# Altium PCB GEM_AFE_128.PcbDoc (part 1 of 18) (continued)
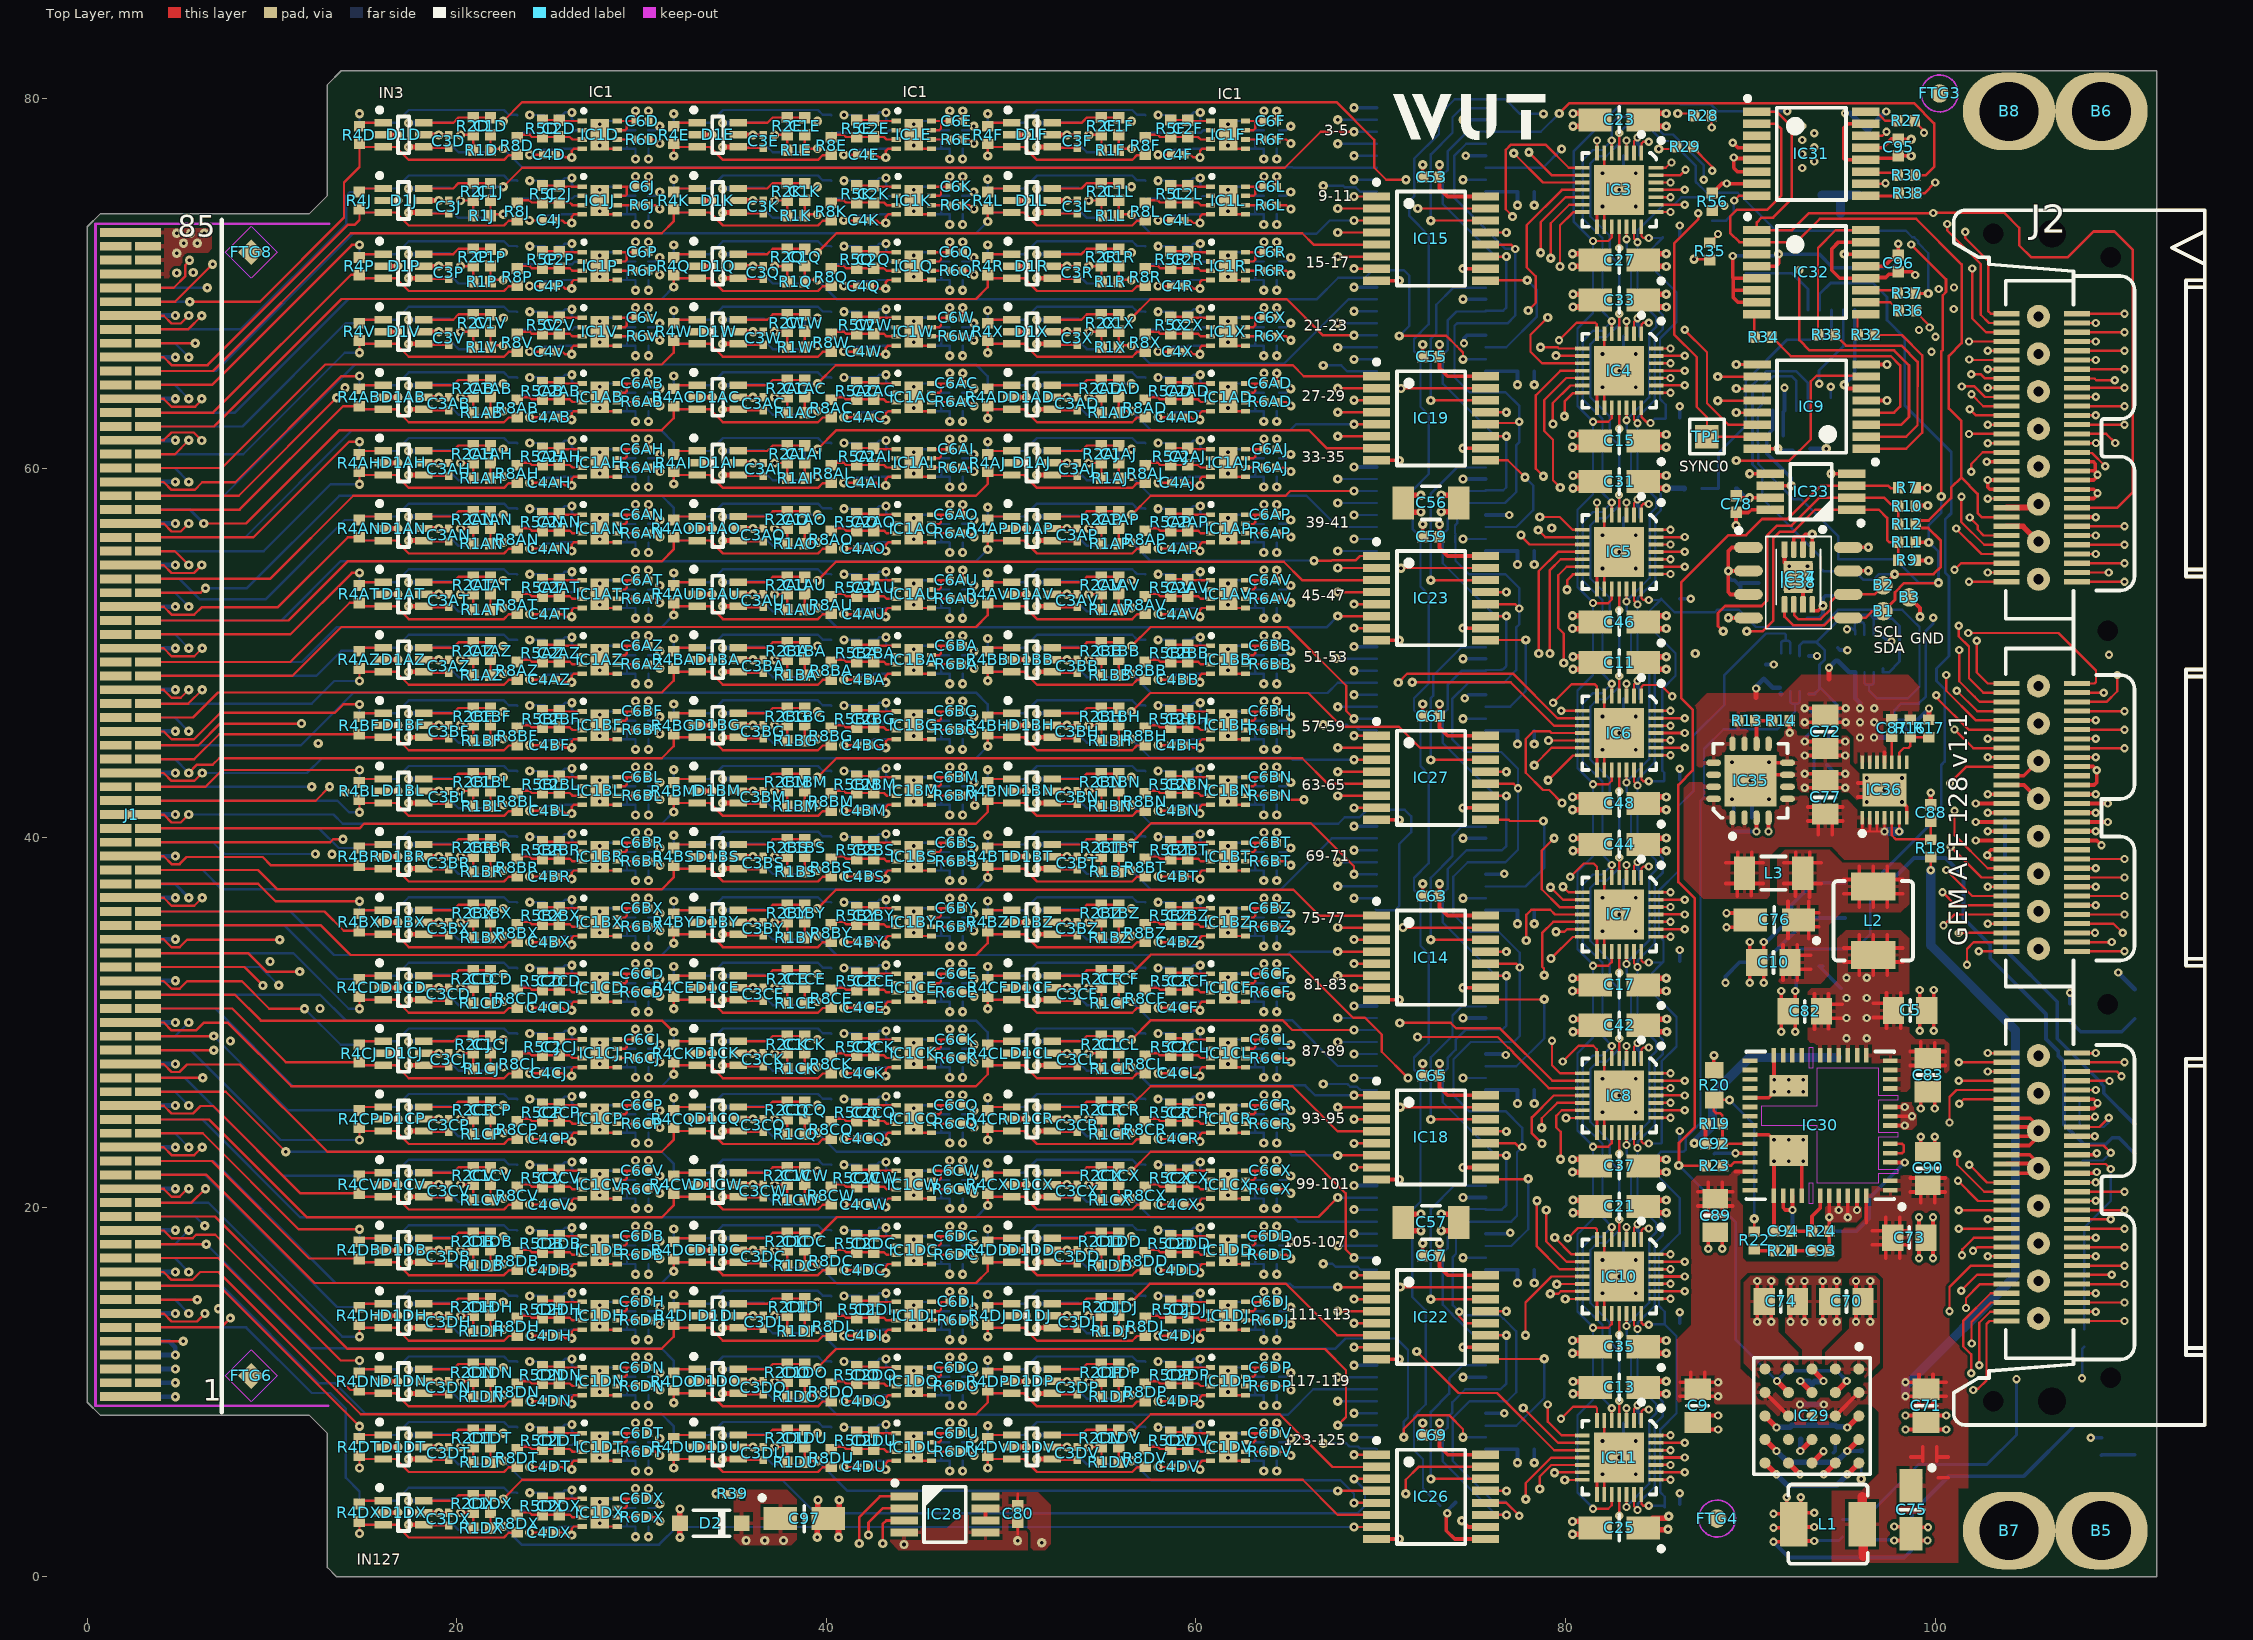
[diagram p0: Top Layer view]
## Design rules (kind name [scope] priority, off if disabled: settings) (continued)
RoomDefinition U_FE_channel40 [InComponentClass('U_FE_channel40')] p89: confinementstyle=ConfineIn formatcopy=TRUE lockcomponents=FALSE outline 14.275,58.4 31.275,58.4 31.275,55.05 14.275,55.05
RoomDefinition U_FE_channel39 [InComponentClass('U_FE_channel39')] p90: confinementstyle=ConfineIn formatcopy=FALSE lockcomponents=FALSE outline 48.275,55.05 65.275,55.05 65.275,58.4 48.275,58.4
RoomDefinition U_FE_channel38 [InComponentClass('U_FE_channel38')] p91: confinementstyle=ConfineIn formatcopy=FALSE lockcomponents=FALSE outline 31.275,55.05 48.275,55.05 48.275,58.4 31.275,58.4
RoomDefinition U_FE_channel37 [InComponentClass('U_FE_channel37')] p92: confinementstyle=ConfineIn formatcopy=FALSE lockcomponents=FALSE outline 14.275,55.05 31.275,55.05 31.275,58.4 14.275,58.4
RoomDefinition U_FE_channel34 [InComponentClass('U_FE_channel34')] p93: confinementstyle=ConfineIn formatcopy=TRUE lockcomponents=FALSE outline 14.275,61.95 31.275,61.95 31.275,58.6 14.275,58.6
RoomDefinition U_FE_channel35 [InComponentClass('U_FE_channel35')] p94: confinementstyle=ConfineIn formatcopy=TRUE lockcomponents=FALSE outline 31.275,61.95 48.275,61.95 48.275,58.6 31.275,58.6
RoomDefinition U_FE_channel36 [InComponentClass('U_FE_channel36')] p95: confinementstyle=ConfineIn formatcopy=TRUE lockcomponents=FALSE outline 48.275,61.95 65.275,61.95 65.275,58.6 48.275,58.6
RoomDefinition U_FE_channel33 [InComponentClass('U_FE_channel33')] p96: confinementstyle=ConfineIn formatcopy=FALSE lockcomponents=FALSE outline 48.275,58.6 65.275,58.6 65.275,61.95 48.275,61.95
RoomDefinition U_FE_channel32 [InComponentClass('U_FE_channel32')] p97: confinementstyle=ConfineIn formatcopy=FALSE lockcomponents=FALSE outline 31.275,58.6 48.275,58.6 48.275,61.95 31.275,61.95
RoomDefinition U_FE_channel31 [InComponentClass('U_FE_channel31')] p98: confinementstyle=ConfineIn formatcopy=FALSE lockcomponents=FALSE outline 14.275,58.6 31.275,58.6 31.275,61.95 14.275,61.95
RoomDefinition U_FE_channel27 [InComponentClass('U_FE_channel27')] p99: confinementstyle=ConfineIn formatcopy=FALSE lockcomponents=FALSE outline 48.275,62.15 65.275,62.15 65.275,65.5 48.275,65.5
RoomDefinition U_FE_channel26 [InComponentClass('U_FE_channel26')] p100: confinementstyle=ConfineIn formatcopy=FALSE lockcomponents=FALSE outline 31.275,62.15 48.275,62.15 48.275,65.5 31.275,65.5
RoomDefinition U_FE_channel25 [InComponentClass('U_FE_channel25')] p101: confinementstyle=ConfineIn formatcopy=FALSE lockcomponents=FALSE outline 14.275,62.15 31.275,62.15 31.275,65.5 14.275,65.5
RoomDefinition U_FE_channel30 [InComponentClass('U_FE_channel30')] p102: confinementstyle=ConfineIn formatcopy=TRUE lockcomponents=FALSE outline 48.275,65.5 65.275,65.5 65.275,62.15 48.275,62.15
RoomDefinition U_FE_channel29 [InComponentClass('U_FE_channel29')] p103: confinementstyle=ConfineIn formatcopy=TRUE lockcomponents=FALSE outline 31.275,65.5 48.275,65.5 48.275,62.15 31.275,62.15
RoomDefinition U_FE_channel28 [InComponentClass('U_FE_channel28')] p104: confinementstyle=ConfineIn formatcopy=TRUE lockcomponents=FALSE outline 14.275,65.5 31.275,65.5 31.275,62.15 14.275,62.15
RoomDefinition U_FE_channel24 [InComponentClass('U_FE_channel24')] p105: confinementstyle=ConfineIn formatcopy=TRUE lockcomponents=FALSE outline 48.275,69.05 65.275,69.05 65.275,65.7 48.275,65.7
RoomDefinition U_FE_channel23 [InComponentClass('U_FE_channel23')] p106: confinementstyle=ConfineIn formatcopy=TRUE lockcomponents=FALSE outline 31.275,69.05 48.275,69.05 48.275,65.7 31.275,65.7
RoomDefinition U_FE_channel22 [InComponentClass('U_FE_channel22')] p107: confinementstyle=ConfineIn formatcopy=TRUE lockcomponents=FALSE outline 14.275,69.05 31.275,69.05 31.275,65.7 14.275,65.7
RoomDefinition U_FE_channel21 [InComponentClass('U_FE_channel21')] p108: confinementstyle=ConfineIn formatcopy=FALSE lockcomponents=FALSE outline 48.275,65.7 65.275,65.7 65.275,69.05 48.275,69.05
RoomDefinition U_FE_channel20 [InComponentClass('U_FE_channel20')] p109: confinementstyle=ConfineIn formatcopy=FALSE lockcomponents=FALSE outline 31.275,65.7 48.275,65.7 48.275,69.05 31.275,69.05
RoomDefinition U_FE_channel19 [InComponentClass('U_FE_channel19')] p110: confinementstyle=ConfineIn formatcopy=FALSE lockcomponents=FALSE outline 14.275,65.7 31.275,65.7 31.275,69.05 14.275,69.05
RoomDefinition U_FE_channel13 [InComponentClass('U_FE_channel13')] p111: confinementstyle=ConfineIn formatcopy=FALSE lockcomponents=FALSE outline 14.275,69.25 31.275,69.25 31.275,72.6 14.275,72.6
RoomDefinition U_FE_channel18 [InComponentClass('U_FE_channel18')] p112: confinementstyle=ConfineIn formatcopy=TRUE lockcomponents=FALSE outline 48.275,72.6 65.275,72.6 65.275,69.25 48.275,69.25
RoomDefinition U_FE_channel17 [InComponentClass('U_FE_channel17')] p113: confinementstyle=ConfineIn formatcopy=TRUE lockcomponents=FALSE outline 31.275,72.6 48.275,72.6 48.275,69.25 31.275,69.25
RoomDefinition U_FE_channel16 [InComponentClass('U_FE_channel16')] p114: confinementstyle=ConfineIn formatcopy=TRUE lockcomponents=FALSE outline 14.275,72.6 31.275,72.6 31.275,69.25 14.275,69.25
RoomDefinition U_FE_channel15 [InComponentClass('U_FE_channel15')] p115: confinementstyle=ConfineIn formatcopy=FALSE lockcomponents=FALSE outline 48.275,69.25 65.275,69.25 65.275,72.6 48.275,72.6
RoomDefinition U_FE_channel14 [InComponentClass('U_FE_channel14')] p116: confinementstyle=ConfineIn formatcopy=FALSE lockcomponents=FALSE outline 31.275,69.25 48.275,69.25 48.275,72.6 31.275,72.6
RoomDefinition U_FE_channel7 [InComponentClass('U_FE_channel7')] p117: confinementstyle=ConfineIn formatcopy=FALSE lockcomponents=FALSE outline 14.275,72.8 31.275,72.8 31.275,76.15 14.275,76.15
RoomDefinition U_FE_channel8 [InComponentClass('U_FE_channel8')] p118: confinementstyle=ConfineIn formatcopy=FALSE lockcomponents=FALSE outline 31.275,72.8 48.275,72.8 48.275,76.15 31.275,76.15
RoomDefinition U_FE_channel9 [InComponentClass('U_FE_channel9')] p119: confinementstyle=ConfineIn formatcopy=FALSE lockcomponents=FALSE outline 48.275,72.8 65.275,72.8 65.275,76.15 48.275,76.15
RoomDefinition U_FE_channel12 [InComponentClass('U_FE_channel12')] p120: confinementstyle=ConfineIn formatcopy=TRUE lockcomponents=FALSE outline 48.275,76.15 65.275,76.15 65.275,72.8 48.275,72.8
RoomDefinition U_FE_channel11 [InComponentClass('U_FE_channel11')] p121: confinementstyle=ConfineIn formatcopy=TRUE lockcomponents=FALSE outline 31.275,76.15 48.275,76.15 48.275,72.8 31.275,72.8
RoomDefinition U_FE_channel10 [InComponentClass('U_FE_channel10')] p122: confinementstyle=ConfineIn formatcopy=TRUE lockcomponents=FALSE outline 14.275,76.15 31.275,76.15 31.275,72.8 14.275,72.8
RoomDefinition U_FE_channel6 [InComponentClass('U_FE_channel6')] p123: confinementstyle=ConfineIn formatcopy=TRUE lockcomponents=FALSE outline 48.275,79.7 65.275,79.7 65.275,76.35 48.275,76.35
RoomDefinition U_FE_channel5 [InComponentClass('U_FE_channel5')] p124: confinementstyle=ConfineIn formatcopy=TRUE lockcomponents=FALSE outline 31.275,79.7 48.275,79.7 48.275,76.35 31.275,76.35
RoomDefinition U_FE_channel3 [InComponentClass('U_FE_channel3')] p125: confinementstyle=ConfineIn formatcopy=FALSE lockcomponents=FALSE outline 48.275,76.35 65.275,76.35 65.275,79.7 48.275,79.7
RoomDefinition U_FE_channel2 [InComponentClass('U_FE_channel2')] p126: confinementstyle=ConfineIn formatcopy=FALSE lockcomponents=FALSE outline 31.275,76.35 48.275,76.35 48.275,79.7 31.275,79.7
RoomDefinition U_FE_channel1 [InComponentClass('U_FE_channel1')] p127: confinementstyle=ConfineIn formatcopy=FALSE lockcomponents=FALSE outline 14.275,76.35 31.275,76.35 31.275,79.7 14.275,79.7
RoomDefinition U_FE_channel4 [InComponentClass('U_FE_channel4')] p128: confinementstyle=ConfineIn formatcopy=TRUE lockcomponents=FALSE outline 14.275,79.7 31.275,79.7 31.275,76.35 14.275,76.35
RoomDefinition U_GEM_AFE128_Supply [InComponentClass('U_GEM_AFE128_Supply')] p129: confinementstyle=ConfineIn formatcopy=TRUE lockcomponents=FALSE outline 282.075,93.85 267.479,93.85 267.479,107.025 282.075,107.025
RoomDefinition GEM_AFE_128 [InComponentClass('GEM_AFE_128')] p130: confinementstyle=ConfineIn formatcopy=TRUE lockcomponents=FALSE outline 108.4,5.41 111.395,5.41 111.395,12.41 108.4,12.41
RoomDefinition U_CAL_logics [InComponentClass('U_CAL_logics')] p131: confinementstyle=ConfineIn formatcopy=TRUE lockcomponents=FALSE outline 68.325,1.05 68.325,80.5 79.275,80.5 79.275,1.05
RoomDefinition U_DAC [InComponentClass('U_DAC')] p132: confinementstyle=ConfineIn formatcopy=TRUE lockcomponents=FALSE outline 97.9,81.475 97.9,0.75 79.55,0.75 79.55,81.475
RoutingVias [All] p1: holewidth=0.2 width=0.5 viastyle="Through Hole" minholewidth=0.2 minwidth=0.45 maxholewidth=0.5 maxwidth=1
SilkToSilkClearance [All] p1: silktosilkclearance=0
SilkToSolderMaskClearance SilkscreenOverComponentPads [IsPad] p1: minsilkscreentomaskgap=0.025 clearancetoexposedcopper=TRUE
SolderMaskExpansion SolderMaskExpansion_via [IsVia] p1: expansion=0.102 istentingtop=TRUE
SolderMaskExpansion [All] p2: expansion=0.045 istentingtop=FALSE
ViasUnderSMD ViasUnderSMD_1 [HasFootprint('SOP65P490X110-9N-R157X189')] p1: allowed=TRUE
ViasUnderSMD [All] p2: allowed=FALSE
Width Width_1 [(InDifferentialPairClass('All Differential Pairs'))] p1: maxlimit=0.254 minlimit=0.102 preferedwidth=0.254 toplayer_maxwidth=0.102 toplayer_prefwidth=0.102 midlayer1_maxwidth=0.102 midlayer1_prefwidth=0.102 midlayer2_minwidth=0.254 midlayer3_minwidth=0.254 midlayer4_minwidth=0.254 midlayer5_minwidth=0.254 midlayer6_minwidth=0.254 bottomlayer_maxwidth=0.102 bottomlayer_prefwidth=0.102 minimp=50.000000 maximp=50.000000 favimp=50.000000
Width [All] p2: maxlimit=0.762 minlimit=0.102 preferedwidth=0.152 midlayer1_minwidth=0.127 midlayer2_maxwidth=0.254 midlayer3_minwidth=0.254 midlayer3_maxwidth=0.254 midlayer3_prefwidth=0.254 midlayer4_minwidth=0.254 midlayer4_maxwidth=0.254 midlayer4_prefwidth=0.254 midlayer5_minwidth=0.254 midlayer5_maxwidth=0.254 midlayer5_prefwidth=0.254 midlayer6_maxwidth=0.254 minimp=0.000000 maximp=0.000000 favimp=99999999999999948800000000000000.000000
20 further rules are at their usual default settings.

## Classes and differential pairs
net class OUTP[127..0]: OUTP0 OUTP1 OUTP2 OUTP3 OUTP4 OUTP5 OUTP6 OUTP7 OUTP8 OUTP9 OUTP10 OUTP11 OUTP12 OUTP13 OUTP14 OUTP15 OUTP16 OUTP17 OUTP18 OUTP19 OUTP20 OUTP21 OUTP22 OUTP23 OUTP24 OUTP25 OUTP26 OUTP27 OUTP28 OUTP29 OUTP30 OUTP31 OUTP32 OUTP33 OUTP34 OUTP35 OUTP36 OUTP37 OUTP38 OUTP39 OUTP40 OUTP41 OUTP42 OUTP43 OUTP44 OUTP45 OUTP46 OUTP47 OUTP48 OUTP49 OUTP50 OUTP51 OUTP52 OUTP53 OUTP54 OUTP55 OUTP56 OUTP57 OUTP58 OUTP59 OUTP60 OUTP61 OUTP62 OUTP63 OUTP64 OUTP65 OUTP66 OUTP67 OUTP68 OUTP69 OUTP70 OUTP71 OUTP72 OUTP73 OUTP74 OUTP75 OUTP76 OUTP77 OUTP78 OUTP79 OUTP80 OUTP81 OUTP82 OUTP83 OUTP84 OUTP85 OUTP86 OUTP87 OUTP88 OUTP89 OUTP90 OUTP91 OUTP92 OUTP93 OUTP94 OUTP95 OUTP96 OUTP97 OUTP98 OUTP99 OUTP100 OUTP101 OUTP102 OUTP103 OUTP104 OUTP105 OUTP106 OUTP107 OUTP108 OUTP109 OUTP110 OUTP111 OUTP112 OUTP113 OUTP114 OUTP115 OUTP116 OUTP117 OUTP118 OUTP119 OUTP120 OUTP121 OUTP122 OUTP123 OUTP124 OUTP125 OUTP126 OUTP127
component class U_GEM_AFE128_Supply: B1 B2 B3 B4 C5 C7 C9 C10 C70 C71 C72 C73 C74 C75 C76 C77 C78 C79 C80 C81 C82 C83 C84 C85 C86 C87 C88 C89 C90 C91 C92 C93 C94 C97 C98 C99 C100 D2 IC2 IC28 IC29 IC30 IC33 IC34 IC35 IC36 IC37 IC38 IC39 L1 L2 L3 L4 R7 R9 R10 R11 R12 R13 R14 R15 R16 R17 R18 R19 R20 R21 R22 R23 R24 R25 R39 R40 R42 R46 R47 R48 R49 R50 R51 R52 R53 R54 R55 TP2 TP3 U1 U2
channel class FE_channel: U_FE_channel1 U_FE_channel2 U_FE_channel3 U_FE_channel4 U_FE_channel5 U_FE_channel6 U_FE_channel7 U_FE_channel8 U_FE_channel9 U_FE_channel10 U_FE_channel11 U_FE_channel12 U_FE_channel13 U_FE_channel14 U_FE_channel15 U_FE_channel16 U_FE_channel17 U_FE_channel18 U_FE_channel19 U_FE_channel20 U_FE_channel21 U_FE_channel22 U_FE_channel23 U_FE_channel24 U_FE_channel25 U_FE_channel26 U_FE_channel27 U_FE_channel28 U_FE_channel29 U_FE_channel30 U_FE_channel31 U_FE_channel32 U_FE_channel33 U_FE_channel34 U_FE_channel35 U_FE_channel36 U_FE_channel37 U_FE_channel38 U_FE_channel39 U_FE_channel40 U_FE_channel41 U_FE_channel42 U_FE_channel43 U_FE_channel44 U_FE_channel45 U_FE_channel46 U_FE_channel47 U_FE_channel48 U_FE_channel49 U_FE_channel50 U_FE_channel51 U_FE_channel52 U_FE_channel53 U_FE_channel54 U_FE_channel55 U_FE_channel56 U_FE_channel57 U_FE_channel58 U_FE_channel59 U_FE_channel60 U_FE_channel61 U_FE_channel62 U_FE_channel63 U_FE_channel64 U_FE_channel65 U_FE_channel66 U_FE_channel67 U_FE_channel68 U_FE_channel69 U_FE_channel70 U_FE_channel71 U_FE_channel72 U_FE_channel73 U_FE_channel74 U_FE_channel75 U_FE_channel76 U_FE_channel77 U_FE_channel78 U_FE_channel79 U_FE_channel80 U_FE_channel81 U_FE_channel82 U_FE_channel83 U_FE_channel84 U_FE_channel85 U_FE_channel86 U_FE_channel87 U_FE_channel88 U_FE_channel89 U_FE_channel90 U_FE_channel91 U_FE_channel92 U_FE_channel93 U_FE_channel94 U_FE_channel95 U_FE_channel96 U_FE_channel97 U_FE_channel98 U_FE_channel99 U_FE_channel100 U_FE_channel101 U_FE_channel102 U_FE_channel103 U_FE_channel104 U_FE_channel105 U_FE_channel106 U_FE_channel107 U_FE_channel108 U_FE_channel109 U_FE_channel110 U_FE_channel111 U_FE_channel112 U_FE_channel113 U_FE_channel114 U_FE_channel115 U_FE_channel116 U_FE_channel117 U_FE_channel118 U_FE_channel119 U_FE_channel120 U_FE_channel121 U_FE_channel122 U_FE_channel123 U_FE_channel124 U_FE_channel125 U_FE_channel126 U_FE_channel127 U_FE_channel128
net class OFFSET[127..0]: OFFSET0 OFFSET1 OFFSET2 OFFSET3 OFFSET4 OFFSET5 OFFSET6 OFFSET7 OFFSET8 OFFSET9 OFFSET10 OFFSET11 OFFSET12 OFFSET13 OFFSET14 OFFSET15 OFFSET16 OFFSET17 OFFSET18 OFFSET19 OFFSET20 OFFSET21 OFFSET22 OFFSET23 OFFSET24 OFFSET25 OFFSET26 OFFSET27 OFFSET28 OFFSET29 OFFSET30 OFFSET31 OFFSET32 OFFSET33 OFFSET34 OFFSET35 OFFSET36 OFFSET37 OFFSET38 OFFSET39 OFFSET40 OFFSET41 OFFSET42 OFFSET43 OFFSET44 OFFSET45 OFFSET46 OFFSET47 OFFSET48 OFFSET49 OFFSET50 OFFSET51 OFFSET52 OFFSET53 OFFSET54 OFFSET55 OFFSET56 OFFSET57 OFFSET58 OFFSET59 OFFSET60 OFFSET61 OFFSET62 OFFSET63 OFFSET64 OFFSET65 OFFSET66 OFFSET67 OFFSET68 OFFSET69 OFFSET70 OFFSET71 OFFSET72 OFFSET73 OFFSET74 OFFSET75 OFFSET76 OFFSET77 OFFSET78 OFFSET79 OFFSET80 OFFSET81 OFFSET82 OFFSET83 OFFSET84 OFFSET85 OFFSET86 OFFSET87 OFFSET88 OFFSET89 OFFSET90 OFFSET91 OFFSET92 OFFSET93 OFFSET94 OFFSET95 OFFSET96 OFFSET97 OFFSET98 OFFSET99 OFFSET100 OFFSET101 OFFSET102 OFFSET103 OFFSET104 OFFSET105 OFFSET106 OFFSET107 OFFSET108 OFFSET109 OFFSET110 OFFSET111 OFFSET112 OFFSET113 OFFSET114 OFFSET115 OFFSET116 OFFSET117 OFFSET118 OFFSET119 OFFSET120 OFFSET121 OFFSET122 OFFSET123 OFFSET124 OFFSET125 OFFSET126 OFFSET127
net class IN_P[127..0]: IN_P0 IN_P1 IN_P2 IN_P3 IN_P4 IN_P5 IN_P6 IN_P7 IN_P8 IN_P9 IN_P10 IN_P11 IN_P12 IN_P13 IN_P14 IN_P15 IN_P16 IN_P17 IN_P18 IN_P19 IN_P20 IN_P21 IN_P22 IN_P23 IN_P24 IN_P25 IN_P26 IN_P27 IN_P28 IN_P29 IN_P30 IN_P31 IN_P32 IN_P33 IN_P34 IN_P35 IN_P36 IN_P37 IN_P38 IN_P39 IN_P40 IN_P41 IN_P42 IN_P43 IN_P44 IN_P45 IN_P46 IN_P47 IN_P48 IN_P49 IN_P50 IN_P51 IN_P52 IN_P53 IN_P54 IN_P55 IN_P56 IN_P57 IN_P58 IN_P59 IN_P60 IN_P61 IN_P62 IN_P63 IN_P64 IN_P65 IN_P66 IN_P67 IN_P68 IN_P69 IN_P70 IN_P71 IN_P72 IN_P73 IN_P74 IN_P75 IN_P76 IN_P77 IN_P78 IN_P79 IN_P80 IN_P81 IN_P82 IN_P83 IN_P84 IN_P85 IN_P86 IN_P87 IN_P88 IN_P89 IN_P90 IN_P91 IN_P92 IN_P93 IN_P94 IN_P95 IN_P96 IN_P97 IN_P98 IN_P99 IN_P100 IN_P101 IN_P102 IN_P103 IN_P104 IN_P105 IN_P106 IN_P107 IN_P108 IN_P109 IN_P110 IN_P111 IN_P112 IN_P113 IN_P114 IN_P115 IN_P116 IN_P117 IN_P118 IN_P119 IN_P120 IN_P121 IN_P122 IN_P123 IN_P124 IN_P125 IN_P126 IN_P127
net class CAL_IN[127..0]: CAL_IN0 CAL_IN1 CAL_IN2 CAL_IN3 CAL_IN4 CAL_IN5 CAL_IN6 CAL_IN7 CAL_IN8 CAL_IN9 CAL_IN10 CAL_IN11 CAL_IN12 CAL_IN13 CAL_IN14 CAL_IN15 CAL_IN16 CAL_IN17 CAL_IN18 CAL_IN19 CAL_IN20 CAL_IN21 CAL_IN22 CAL_IN23 CAL_IN24 CAL_IN25 CAL_IN26 CAL_IN27 CAL_IN28 CAL_IN29 CAL_IN30 CAL_IN31 CAL_IN32 CAL_IN33 CAL_IN34 CAL_IN35 CAL_IN36 CAL_IN37 CAL_IN38 CAL_IN39 CAL_IN40 CAL_IN41 CAL_IN42 CAL_IN43 CAL_IN44 CAL_IN45 CAL_IN46 CAL_IN47 CAL_IN48 CAL_IN49 CAL_IN50 CAL_IN51 CAL_IN52 CAL_IN53 CAL_IN54 CAL_IN55 CAL_IN56 CAL_IN57 CAL_IN58 CAL_IN59 CAL_IN60 CAL_IN61 CAL_IN62 CAL_IN63 CAL_IN64 CAL_IN65 CAL_IN66 CAL_IN67 CAL_IN68 CAL_IN69 CAL_IN70 CAL_IN71 CAL_IN72 CAL_IN73 CAL_IN74 CAL_IN75 CAL_IN76 CAL_IN77 CAL_IN78 CAL_IN79 CAL_IN80 CAL_IN81 CAL_IN82 CAL_IN83 CAL_IN84 CAL_IN85 CAL_IN86 CAL_IN87 CAL_IN88 CAL_IN89 CAL_IN90 CAL_IN91 CAL_IN92 CAL_IN93 CAL_IN94 CAL_IN95 CAL_IN96 CAL_IN97 CAL_IN98 CAL_IN99 CAL_IN100 CAL_IN101 CAL_IN102 CAL_IN103 CAL_IN104 CAL_IN105 CAL_IN106 CAL_IN107 CAL_IN108 CAL_IN109 CAL_IN110 CAL_IN111 CAL_IN112 CAL_IN113 CAL_IN114 CAL_IN115 CAL_IN116 CAL_IN117 CAL_IN118 CAL_IN119 CAL_IN120 CAL_IN121 CAL_IN122 CAL_IN123 CAL_IN124 CAL_IN125 CAL_IN126 CAL_IN127
component class U_FE_channel128: C1DX C2DX C3DX C4DX C6DX D1DX IC1DX R1DX R2DX R4DX R5DX R6DX R8DX
component class U_FE_channel127: C1DW C2DW C3DW C4DW C6DW D1DW IC1DW R1DW R2DW R4DW R5DW R6DW R8DW
component class U_FE_channel126: C1DV C2DV C3DV C4DV C6DV D1DV IC1DV R1DV R2DV R4DV R5DV R6DV R8DV
component class U_FE_channel125: C1DU C2DU C3DU C4DU C6DU D1DU IC1DU R1DU R2DU R4DU R5DU R6DU R8DU
component class U_FE_channel124: C1DT C2DT C3DT C4DT C6DT D1DT IC1DT R1DT R2DT R4DT R5DT R6DT R8DT
component class U_FE_channel123: C1DS C2DS C3DS C4DS C6DS D1DS IC1DS R1DS R2DS R4DS R5DS R6DS R8DS
component class U_FE_channel122: C1DR C2DR C3DR C4DR C6DR D1DR IC1DR R1DR R2DR R4DR R5DR R6DR R8DR
component class U_FE_channel121: C1DQ C2DQ C3DQ C4DQ C6DQ D1DQ IC1DQ R1DQ R2DQ R4DQ R5DQ R6DQ R8DQ
component class U_FE_channel120: C1DP C2DP C3DP C4DP C6DP D1DP IC1DP R1DP R2DP R4DP R5DP R6DP R8DP
component class U_FE_channel119: C1DO C2DO C3DO C4DO C6DO D1DO IC1DO R1DO R2DO R4DO R5DO R6DO R8DO
component class U_FE_channel118: C1DN C2DN C3DN C4DN C6DN D1DN IC1DN R1DN R2DN R4DN R5DN R6DN R8DN
component class U_FE_channel117: C1DM C2DM C3DM C4DM C6DM D1DM IC1DM R1DM R2DM R4DM R5DM R6DM R8DM
component class U_FE_channel116: C1DL C2DL C3DL C4DL C6DL D1DL IC1DL R1DL R2DL R4DL R5DL R6DL R8DL
component class U_FE_channel115: C1DK C2DK C3DK C4DK C6DK D1DK IC1DK R1DK R2DK R4DK R5DK R6DK R8DK
component class U_FE_channel114: C1DJ C2DJ C3DJ C4DJ C6DJ D1DJ IC1DJ R1DJ R2DJ R4DJ R5DJ R6DJ R8DJ
component class U_FE_channel113: C1DI C2DI C3DI C4DI C6DI D1DI IC1DI R1DI R2DI R4DI R5DI R6DI R8DI
component class U_FE_channel112: C1DH C2DH C3DH C4DH C6DH D1DH IC1DH R1DH R2DH R4DH R5DH R6DH R8DH
component class U_FE_channel111: C1DG C2DG C3DG C4DG C6DG D1DG IC1DG R1DG R2DG R4DG R5DG R6DG R8DG
component class U_FE_channel110: C1DF C2DF C3DF C4DF C6DF D1DF IC1DF R1DF R2DF R4DF R5DF R6DF R8DF
component class U_FE_channel109: C1DE C2DE C3DE C4DE C6DE D1DE IC1DE R1DE R2DE R4DE R5DE R6DE R8DE
component class U_FE_channel108: C1DD C2DD C3DD C4DD C6DD D1DD IC1DD R1DD R2DD R4DD R5DD R6DD R8DD
component class U_FE_channel107: C1DC C2DC C3DC C4DC C6DC D1DC IC1DC R1DC R2DC R4DC R5DC R6DC R8DC
component class U_FE_channel106: C1DB C2DB C3DB C4DB C6DB D1DB IC1DB R1DB R2DB R4DB R5DB R6DB R8DB
component class U_FE_channel105: C1DA C2DA C3DA C4DA C6DA D1DA IC1DA R1DA R2DA R4DA R5DA R6DA R8DA
component class U_FE_channel104: C1CZ C2CZ C3CZ C4CZ C6CZ D1CZ IC1CZ R1CZ R2CZ R4CZ R5CZ R6CZ R8CZ
component class U_FE_channel103: C1CY C2CY C3CY C4CY C6CY D1CY IC1CY R1CY R2CY R4CY R5CY R6CY R8CY
component class U_FE_channel102: C1CX C2CX C3CX C4CX C6CX D1CX IC1CX R1CX R2CX R4CX R5CX R6CX R8CX
component class U_FE_channel101: C1CW C2CW C3CW C4CW C6CW D1CW IC1CW R1CW R2CW R4CW R5CW R6CW R8CW
component class U_FE_channel100: C1CV C2CV C3CV C4CV C6CV D1CV IC1CV R1CV R2CV R4CV R5CV R6CV R8CV
component class U_FE_channel99: C1CU C2CU C3CU C4CU C6CU D1CU IC1CU R1CU R2CU R4CU R5CU R6CU R8CU
component class U_FE_channel98: C1CT C2CT C3CT C4CT C6CT D1CT IC1CT R1CT R2CT R4CT R5CT R6CT R8CT
component class U_FE_channel97: C1CS C2CS C3CS C4CS C6CS D1CS IC1CS R1CS R2CS R4CS R5CS R6CS R8CS
component class U_FE_channel96: C1CR C2CR C3CR C4CR C6CR D1CR IC1CR R1CR R2CR R4CR R5CR R6CR R8CR
component class U_FE_channel95: C1CQ C2CQ C3CQ C4CQ C6CQ D1CQ IC1CQ R1CQ R2CQ R4CQ R5CQ R6CQ R8CQ
component class U_FE_channel94: C1CP C2CP C3CP C4CP C6CP D1CP IC1CP R1CP R2CP R4CP R5CP R6CP R8CP
component class U_FE_channel93: C1CO C2CO C3CO C4CO C6CO D1CO IC1CO R1CO R2CO R4CO R5CO R6CO R8CO
component class U_FE_channel92: C1CN C2CN C3CN C4CN C6CN D1CN IC1CN R1CN R2CN R4CN R5CN R6CN R8CN
component class U_FE_channel91: C1CM C2CM C3CM C4CM C6CM D1CM IC1CM R1CM R2CM R4CM R5CM R6CM R8CM
component class U_FE_channel90: C1CL C2CL C3CL C4CL C6CL D1CL IC1CL R1CL R2CL R4CL R5CL R6CL R8CL
component class U_FE_channel89: C1CK C2CK C3CK C4CK C6CK D1CK IC1CK R1CK R2CK R4CK R5CK R6CK R8CK
component class U_FE_channel88: C1CJ C2CJ C3CJ C4CJ C6CJ D1CJ IC1CJ R1CJ R2CJ R4CJ R5CJ R6CJ R8CJ
component class U_FE_channel87: C1CI C2CI C3CI C4CI C6CI D1CI IC1CI R1CI R2CI R4CI R5CI R6CI R8CI
component class U_FE_channel86: C1CH C2CH C3CH C4CH C6CH D1CH IC1CH R1CH R2CH R4CH R5CH R6CH R8CH
component class U_FE_channel85: C1CG C2CG C3CG C4CG C6CG D1CG IC1CG R1CG R2CG R4CG R5CG R6CG R8CG
component class U_FE_channel84: C1CF C2CF C3CF C4CF C6CF D1CF IC1CF R1CF R2CF R4CF R5CF R6CF R8CF
component class U_FE_channel83: C1CE C2CE C3CE C4CE C6CE D1CE IC1CE R1CE R2CE R4CE R5CE R6CE R8CE
component class U_FE_channel82: C1CD C2CD C3CD C4CD C6CD D1CD IC1CD R1CD R2CD R4CD R5CD R6CD R8CD
component class U_FE_channel81: C1CC C2CC C3CC C4CC C6CC D1CC IC1CC R1CC R2CC R4CC R5CC R6CC R8CC
component class U_FE_channel80: C1CB C2CB C3CB C4CB C6CB D1CB IC1CB R1CB R2CB R4CB R5CB R6CB R8CB
component class U_FE_channel79: C1CA C2CA C3CA C4CA C6CA D1CA IC1CA R1CA R2CA R4CA R5CA R6CA R8CA
component class U_FE_channel78: C1BZ C2BZ C3BZ C4BZ C6BZ D1BZ IC1BZ R1BZ R2BZ R4BZ R5BZ R6BZ R8BZ
component class U_FE_channel77: C1BY C2BY C3BY C4BY C6BY D1BY IC1BY R1BY R2BY R4BY R5BY R6BY R8BY
component class U_FE_channel76: C1BX C2BX C3BX C4BX C6BX D1BX IC1BX R1BX R2BX R4BX R5BX R6BX R8BX
component class U_FE_channel75: C1BW C2BW C3BW C4BW C6BW D1BW IC1BW R1BW R2BW R4BW R5BW R6BW R8BW
component class U_FE_channel74: C1BV C2BV C3BV C4BV C6BV D1BV IC1BV R1BV R2BV R4BV R5BV R6BV R8BV
component class U_FE_channel73: C1BU C2BU C3BU C4BU C6BU D1BU IC1BU R1BU R2BU R4BU R5BU R6BU R8BU
component class U_FE_channel72: C1BT C2BT C3BT C4BT C6BT D1BT IC1BT R1BT R2BT R4BT R5BT R6BT R8BT
component class U_FE_channel71: C1BS C2BS C3BS C4BS C6BS D1BS IC1BS R1BS R2BS R4BS R5BS R6BS R8BS
component class U_FE_channel70: C1BR C2BR C3BR C4BR C6BR D1BR IC1BR R1BR R2BR R4BR R5BR R6BR R8BR
component class U_FE_channel69: C1BQ C2BQ C3BQ C4BQ C6BQ D1BQ IC1BQ R1BQ R2BQ R4BQ R5BQ R6BQ R8BQ
component class U_FE_channel68: C1BP C2BP C3BP C4BP C6BP D1BP IC1BP R1BP R2BP R4BP R5BP R6BP R8BP
component class U_FE_channel67: C1BO C2BO C3BO C4BO C6BO D1BO IC1BO R1BO R2BO R4BO R5BO R6BO R8BO
component class U_FE_channel66: C1BN C2BN C3BN C4BN C6BN D1BN IC1BN R1BN R2BN R4BN R5BN R6BN R8BN
component class U_FE_channel65: C1BM C2BM C3BM C4BM C6BM D1BM IC1BM R1BM R2BM R4BM R5BM R6BM R8BM
component class U_FE_channel64: C1BL C2BL C3BL C4BL C6BL D1BL IC1BL R1BL R2BL R4BL R5BL R6BL R8BL
component class U_FE_channel63: C1BK C2BK C3BK C4BK C6BK D1BK IC1BK R1BK R2BK R4BK R5BK R6BK R8BK
component class U_FE_channel62: C1BJ C2BJ C3BJ C4BJ C6BJ D1BJ IC1BJ R1BJ R2BJ R4BJ R5BJ R6BJ R8BJ
component class U_FE_channel61: C1BI C2BI C3BI C4BI C6BI D1BI IC1BI R1BI R2BI R4BI R5BI R6BI R8BI
component class U_FE_channel60: C1BH C2BH C3BH C4BH C6BH D1BH IC1BH R1BH R2BH R4BH R5BH R6BH R8BH
component class U_FE_channel59: C1BG C2BG C3BG C4BG C6BG D1BG IC1BG R1BG R2BG R4BG R5BG R6BG R8BG
component class U_FE_channel58: C1BF C2BF C3BF C4BF C6BF D1BF IC1BF R1BF R2BF R4BF R5BF R6BF R8BF
component class U_FE_channel57: C1BE C2BE C3BE C4BE C6BE D1BE IC1BE R1BE R2BE R4BE R5BE R6BE R8BE
component class U_FE_channel56: C1BD C2BD C3BD C4BD C6BD D1BD IC1BD R1BD R2BD R4BD R5BD R6BD R8BD
component class U_FE_channel55: C1BC C2BC C3BC C4BC C6BC D1BC IC1BC R1BC R2BC R4BC R5BC R6BC R8BC
component class U_FE_channel54: C1BB C2BB C3BB C4BB C6BB D1BB IC1BB R1BB R2BB R4BB R5BB R6BB R8BB
component class U_FE_channel53: C1BA C2BA C3BA C4BA C6BA D1BA IC1BA R1BA R2BA R4BA R5BA R6BA R8BA
component class U_FE_channel52: C1AZ C2AZ C3AZ C4AZ C6AZ D1AZ IC1AZ R1AZ R2AZ R4AZ R5AZ R6AZ R8AZ
component class U_FE_channel51: C1AY C2AY C3AY C4AY C6AY D1AY IC1AY R1AY R2AY R4AY R5AY R6AY R8AY
component class U_FE_channel50: C1AX C2AX C3AX C4AX C6AX D1AX IC1AX R1AX R2AX R4AX R5AX R6AX R8AX
component class U_FE_channel49: C1AW C2AW C3AW C4AW C6AW D1AW IC1AW R1AW R2AW R4AW R5AW R6AW R8AW
component class U_FE_channel48: C1AV C2AV C3AV C4AV C6AV D1AV IC1AV R1AV R2AV R4AV R5AV R6AV R8AV
component class U_FE_channel47: C1AU C2AU C3AU C4AU C6AU D1AU IC1AU R1AU R2AU R4AU R5AU R6AU R8AU
component class U_FE_channel46: C1AT C2AT C3AT C4AT C6AT D1AT IC1AT R1AT R2AT R4AT R5AT R6AT R8AT
component class U_FE_channel45: C1AS C2AS C3AS C4AS C6AS D1AS IC1AS R1AS R2AS R4AS R5AS R6AS R8AS
component class U_FE_channel44: C1AR C2AR C3AR C4AR C6AR D1AR IC1AR R1AR R2AR R4AR R5AR R6AR R8AR
component class U_FE_channel43: C1AQ C2AQ C3AQ C4AQ C6AQ D1AQ IC1AQ R1AQ R2AQ R4AQ R5AQ R6AQ R8AQ
component class U_FE_channel42: C1AP C2AP C3AP C4AP C6AP D1AP IC1AP R1AP R2AP R4AP R5AP R6AP R8AP
component class U_FE_channel41: C1AO C2AO C3AO C4AO C6AO D1AO IC1AO R1AO R2AO R4AO R5AO R6AO R8AO
component class U_FE_channel40: C1AN C2AN C3AN C4AN C6AN D1AN IC1AN R1AN R2AN R4AN R5AN R6AN R8AN
component class U_FE_channel39: C1AM C2AM C3AM C4AM C6AM D1AM IC1AM R1AM R2AM R4AM R5AM R6AM R8AM
component class U_FE_channel38: C1AL C2AL C3AL C4AL C6AL D1AL IC1AL R1AL R2AL R4AL R5AL R6AL R8AL
component class U_FE_channel37: C1AK C2AK C3AK C4AK C6AK D1AK IC1AK R1AK R2AK R4AK R5AK R6AK R8AK
component class U_FE_channel36: C1AJ C2AJ C3AJ C4AJ C6AJ D1AJ IC1AJ R1AJ R2AJ R4AJ R5AJ R6AJ R8AJ
component class U_FE_channel35: C1AI C2AI C3AI C4AI C6AI D1AI IC1AI R1AI R2AI R4AI R5AI R6AI R8AI
component class U_FE_channel34: C1AH C2AH C3AH C4AH C6AH D1AH IC1AH R1AH R2AH R4AH R5AH R6AH R8AH
component class U_FE_channel33: C1AG C2AG C3AG C4AG C6AG D1AG IC1AG R1AG R2AG R4AG R5AG R6AG R8AG
component class U_FE_channel32: C1AF C2AF C3AF C4AF C6AF D1AF IC1AF R1AF R2AF R4AF R5AF R6AF R8AF
component class U_FE_channel31: C1AE C2AE C3AE C4AE C6AE D1AE IC1AE R1AE R2AE R4AE R5AE R6AE R8AE
component class U_FE_channel30: C1AD C2AD C3AD C4AD C6AD D1AD IC1AD R1AD R2AD R4AD R5AD R6AD R8AD
component class U_FE_channel29: C1AC C2AC C3AC C4AC C6AC D1AC IC1AC R1AC R2AC R4AC R5AC R6AC R8AC
component class U_FE_channel28: C1AB C2AB C3AB C4AB C6AB D1AB IC1AB R1AB R2AB R4AB R5AB R6AB R8AB
component class U_FE_channel27: C1AA C2AA C3AA C4AA C6AA D1AA IC1AA R1AA R2AA R4AA R5AA R6AA R8AA
component class U_FE_channel26: C1Z C2Z C3Z C4Z C6Z D1Z IC1Z R1Z R2Z R4Z R5Z R6Z R8Z
component class U_FE_channel25: C1Y C2Y C3Y C4Y C6Y D1Y IC1Y R1Y R2Y R4Y R5Y R6Y R8Y
component class U_FE_channel24: C1X C2X C3X C4X C6X D1X IC1X R1X R2X R4X R5X R6X R8X
component class U_FE_channel23: C1W C2W C3W C4W C6W D1W IC1W R1W R2W R4W R5W R6W R8W
component class U_FE_channel22: C1V C2V C3V C4V C6V D1V IC1V R1V R2V R4V R5V R6V R8V
component class U_FE_channel21: C1U C2U C3U C4U C6U D1U IC1U R1U R2U R4U R5U R6U R8U
component class U_FE_channel20: C1T C2T C3T C4T C6T D1T IC1T R1T R2T R4T R5T R6T R8T
component class U_FE_channel19: C1S C2S C3S C4S C6S D1S IC1S R1S R2S R4S R5S R6S R8S
component class U_FE_channel18: C1R C2R C3R C4R C6R D1R IC1R R1R R2R R4R R5R R6R R8R
component class U_FE_channel17: C1Q C2Q C3Q C4Q C6Q D1Q IC1Q R1Q R2Q R4Q R5Q R6Q R8Q
component class U_FE_channel16: C1P C2P C3P C4P C6P D1P IC1P R1P R2P R4P R5P R6P R8P
component class U_FE_channel15: C1O C2O C3O C4O C6O D1O IC1O R1O R2O R4O R5O R6O R8O
component class U_FE_channel14: C1N C2N C3N C4N C6N D1N IC1N R1N R2N R4N R5N R6N R8N
component class U_FE_channel13: C1M C2M C3M C4M C6M D1M IC1M R1M R2M R4M R5M R6M R8M
component class U_FE_channel12: C1L C2L C3L C4L C6L D1L IC1L R1L R2L R4L R5L R6L R8L
component class U_FE_channel11: C1K C2K C3K C4K C6K D1K IC1K R1K R2K R4K R5K R6K R8K
component class U_FE_channel10: C1J C2J C3J C4J C6J D1J IC1J R1J R2J R4J R5J R6J R8J
component class U_FE_channel9: C1I C2I C3I C4I C6I D1I IC1I R1I R2I R4I R5I R6I R8I